# KiCad board Leopold Replacement.kicad_pcb (continued)
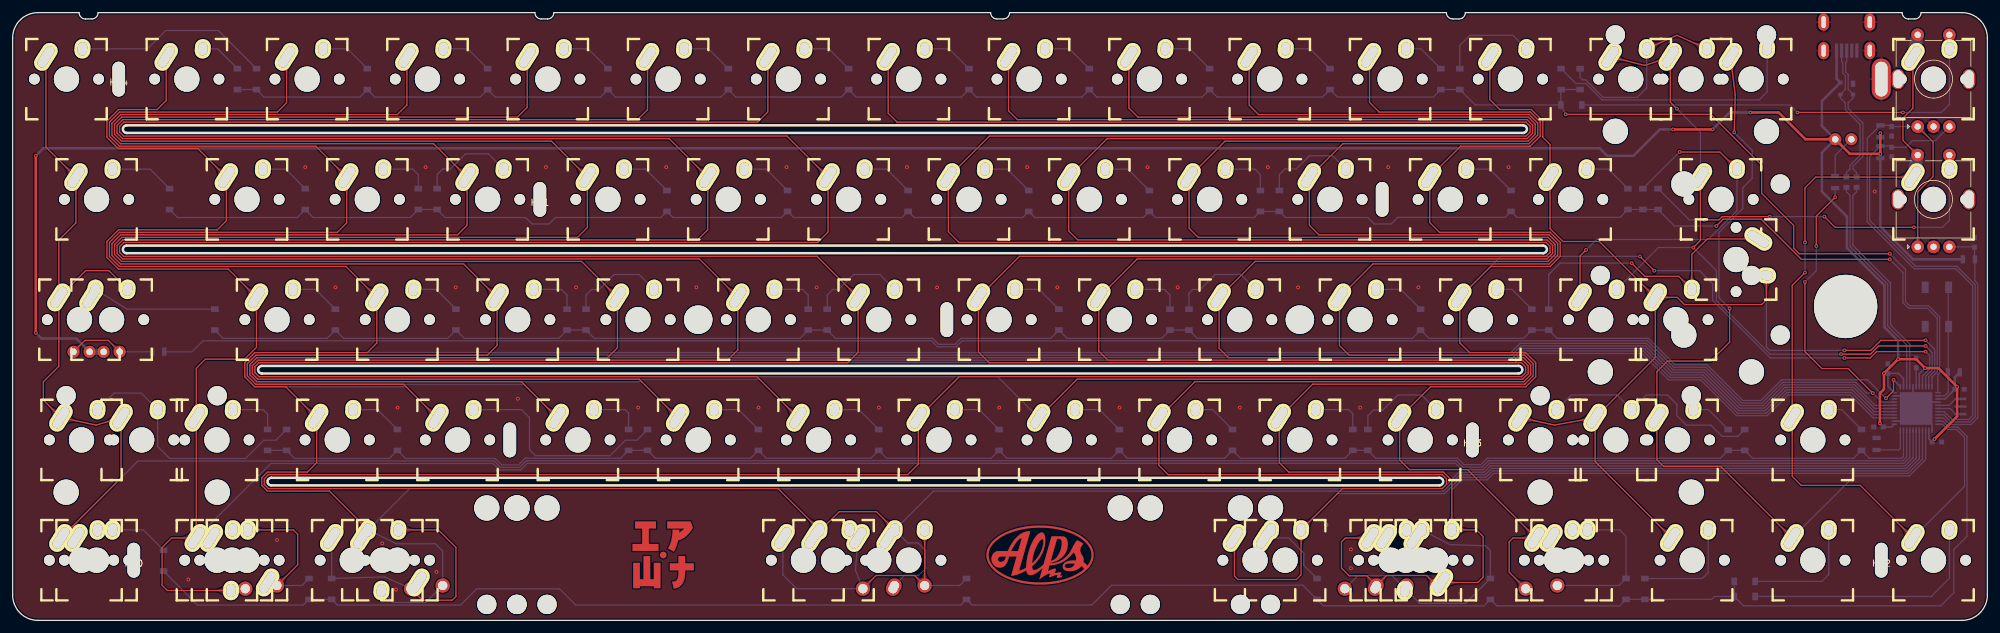
[diagram p0: board, top side]
## Routing (per net, layer and track width the routed paths; a pad name or vN(x,y) marks a point on that pad's centre or on a via; arc(x,y) is an arc through that point)
+5V: length 481.4
  Top w0.4: v1(303.62,28.65) 307.19,32.22 v1(307.19,36.91) 304.23,39.88 v1(302.12,39.88) 300.71,41.29 v1(297.87,41.29) v1(295.64,39.06) 295.64,36.54 294.99,35.89 v1(294.99,31.12) ; v1(295.06,77) v1(295.06,73.73) 290.25,73.73 D72.2 283.22,76.04 278.99,80.27 v1(274.52,80.27) ; v1(3.66,45.45) v1(3.66,73.43) ; v1(262.32,77.6) v1(268.57,77.6)
  Bottom w0.25: C5.2 296.85,30.57 U2.34 ; U2.14 305.29,34.99 C4.2 ; U2.7 301.22,38.97 v1(302.12,39.88) ; U2.24 302.72,28.71 C7.2 ; U2.2 298.72,38.22 297.9,39.04 C1.2 296.25,37.02 U2.44
  Bottom w0.4: v1(307.19,36.91) C4.2 306.81,38.39 R5.1 ; R7.1 300.23,57.06 295.06,62.23 R2.1 v1(295.06,73.73) ; C1.2 v1(295.64,39.06) ; v1(262.32,77.6) 260.24,77.6 256.07,73.43 251.9,73.43 250.71,74.62 4.85,74.62 v1(3.66,73.43) ; D71.2 10.04,44.56 4.55,44.56 v1(3.66,45.45) ; v1(268.57,77.6) 271.25,80.27 v1(274.52,80.27) ; C7.2 v1(303.62,28.65) ; J1.1 288.15,85.6 U1.4 285.84,82.09 285.84,78.14 D72.2 285.84,73.94 285.84,67.77 289.78,63.83 289.78,58.87 295.72,52.93 295.72,46.32 297.87,44.17 v1(297.87,41.29) ; R1.2 v1(295.06,77) ; C5.2 v1(294.99,31.12)
  Bottom w1: D71.2 D55.2
GND: length 20.5
  Bottom w0.25: U2.43 298.72,35.49 U2.45 ; U2.45 298.72,31.49 U2.35 ; U2.45 301.72,34.49 U2.15 ; U2.45 303.22,30.99 U2.23 ; U2.45 300.22,33.99 U2.5
  vias: v1(27.77,6.46) v1(41.76,12.71) v1(46.22,71.64) v1(50.98,52.63) v1(58.39,12.17) v1(60.55,4.86) v1(60.81,33.62) v1(65.23,71.64) v1(66.96,7.66) v1(69.99,52.63) v1(79.82,35.03) v1(84.24,71.64) v1(89,52.63) v1(98.83,33.62) v1(103.25,71.64) v1(108.01,52.63) v1(117.84,33.62) v1(122.26,71.64) v1(127.02,52.63) v1(136.85,33.62) v1(141.27,71.64) v1(146.03,52.63) v1(155.86,33.62) v1(160.28,71.64) v1(165.04,52.63) v1(174.87,33.62) v1(179.29,71.64) v1(184.05,52.63) v1(193.88,33.62) v1(198.3,71.64) v1(203.06,52.63) v1(207.55,15.09) v1(211.42,11.22) v1(211.42,8.24) v1(212.89,33.62) v1(217.31,71.64) v1(222.07,52.63) v1(228.73,4.25) v1(236.32,71.64) v1(294.17,67.77)
/R+: length 22.7
  Bottom w0.2: R3.2 291.3,70.8 290.73,71.37 290.73,71.75 292.31,73.34 292.31,78.58 289.98,80.92 289.98,81.8 290.75,82.58 U1.2 290.75,83.15 289.98,83.93 289.98,86.28 289.57,86.68 289.57,88.19 289.75,88.36 J1.3
/R-: length 22.7
  Bottom w0.2: J1.2 288.95,88.36 289.12,88.19 289.12,86.49 289.52,86.09 289.52,83.93 288.75,83.15 U1.3 288.75,82.58 289.52,81.8 289.52,80.73 291.86,78.4 291.86,73.52 290.28,71.94 290.28,71.37 289.7,70.8 R4.2
Col0: length 411.7
  Top w0.2: 5.25,89.07 5.25,74.81 MX2.1 10,62.81 7.3,60.1 MX87.1 ; MX55.1 17.13,22.53 MX4.1 13.18,30.86 MX58.1 4.85,34.82 4.85,37.71 7.3,40.16 MX87.1 ; MX87.1 11.52,55.27 15.2,55.27 MX3.2
  Bottom w0.2: MX55.1 19.79,25.19 76.06,25.19 77.08,24.18 80.09,24.18 81.14,25.23 228.1,25.23 229.11,24.21 232.12,24.21 233.14,25.23 298.63,25.23 299.22,25.81 U2.31
Col1: length 448.4
  Top w0.2: 24.26,89.07 24.26,82.16 22.84,80.74 16.73,80.74 14.89,78.9 14.89,76.35 16.7,74.54 29.28,74.54 MX6.1 33.77,63.17 32.32,61.73 16.73,61.73 14.89,59.89 14.89,57.34 16.7,55.53 34.03,55.53 MX7.1 38.52,43.15 36.65,41.28 30.44,41.28 29.01,39.85 MX8.1 MX67.1 25.11,13.03 23.6,11.52 23.6,5.56 24.45,4.72 MX91.2
  Bottom w0.2: MX67.1 40.78,24.79 75.9,24.79 76.91,23.78 80.25,23.78 81.3,24.83 227.93,24.83 228.95,23.81 232.29,23.81 233.3,24.83 298.8,24.83 299.72,25.74 U2.30
Col2: length 538.3
  Top w0.2: 43.27,89.07 43.27,81.8 41.81,80.34 16.89,80.34 15.29,78.74 15.29,76.52 16.87,74.94 47.89,74.94 MX10.1 52.77,62.81 51.29,61.33 16.89,61.33 15.29,59.73 15.29,57.51 16.87,55.93 52.64,55.93 MX11.1 57.53,43.81 56.04,42.32 38.26,42.32 36.67,40.73 36.67,38.49 38.23,36.92 43.14,36.92 MX12.1 48.02,24.91 46.55,23.43 40.24,23.43 39.35,22.55 39.35,21.32 40.24,20.43 50.04,20.43 MX68.2
  Bottom w0.2: MX93.2 60.15,2.82 65.25,2.82 MX92.1 67.93,10.93 66.76,12.11 60.61,12.1 MX68.2 62.71,20.83 225.89,20.83 228.47,23.41 232.46,23.41 233.47,24.43 298.97,24.43 300.22,25.68 U2.29
Col3: length 633.3
  Top w0.2: MX16.1 61.75,37.32 38.4,37.32 37.07,38.65 37.07,40.56 38.42,41.92 75,41.92 76.54,43.45 MX15.1 71.25,56.33 17.04,56.33 15.69,57.68 15.69,59.56 17.06,60.93 70.26,60.93 71.78,62.45 71.78,70.06 66.5,75.34 17.04,75.34 15.69,76.69 15.69,78.57 17.06,79.94 60.78,79.94 62.28,81.44 62.28,89.07
  Bottom w0.2: MX16.1 62.15,36.92 38.23,36.92 36.67,38.49 36.67,40.73 38.26,42.32 236.69,42.32 238.14,43.77 258.1,43.77 262.27,39.61 267.33,39.61 272.98,33.95 276.54,33.95 279.81,37.23 290.99,37.23 294.23,33.99 U2.40
Col4: length 762.9
  Top w0.2: MX20.1 80.36,37.72 38.57,37.72 37.47,38.82 37.47,40.4 38.59,41.52 93.97,41.52 95.55,43.09 MX19.1 89.86,56.73 17.2,56.73 16.09,57.84 16.09,59.4 17.22,60.53 89.23,60.53 90.8,62.09 MX18.1 85.11,75.74 17.2,75.74 16.09,76.85 16.09,78.41 17.22,79.54 79.75,79.54 81.29,81.08 81.29,89.07
  Bottom w0.2: U2.39 294.16,33.49 290.83,36.83 279.98,36.83 276.71,33.55 272.82,33.55 267.16,39.21 262.1,39.21 257.93,43.37 238.31,43.37 236.85,41.92 38.42,41.92 37.07,40.56 37.07,38.65 38.4,37.32 80.76,37.32 MX20.1
Col5: length 892.5
  Top w0.2: MX24.1 98.97,38.12 38.73,38.12 37.87,38.99 37.87,40.23 38.75,41.12 112.94,41.12 114.56,42.73 MX23.1 108.47,57.13 17.37,57.13 16.49,58.01 16.49,59.23 17.39,60.13 108.2,60.13 109.81,61.73 MX22.1 103.72,76.14 17.37,76.14 16.49,77.02 16.49,78.24 17.39,79.14 98.72,79.14 100.3,80.72 100.3,89.07
  Bottom w0.2: U2.38 294.09,32.99 290.66,36.43 280.15,36.43 276.87,33.15 272.65,33.15 267,38.81 261.94,38.81 257.77,42.97 238.47,42.97 237.02,41.52 38.59,41.52 37.47,40.4 37.47,38.82 38.57,37.72 99.37,37.72 MX24.1
Col6: length 1022.1
  Top w0.2: MX28.1 117.58,38.52 38.9,38.52 38.27,39.15 38.27,40.07 38.92,40.72 131.91,40.72 133.57,42.37 MX27.1 127.08,57.53 17.53,57.53 16.89,58.17 16.89,59.07 17.55,59.73 127.17,59.73 128.81,61.38 MX26.1 122.33,76.54 17.53,76.54 16.89,77.18 16.89,78.08 17.56,78.74 117.69,78.74 119.31,80.36 119.31,89.07
  Bottom w0.2: U2.37 294.03,32.49 290.5,36.03 280.31,36.03 277.04,32.75 272.49,32.75 266.83,38.41 261.77,38.41 257.6,42.57 238.64,42.57 237.19,41.12 38.75,41.12 37.87,40.23 37.87,38.99 38.73,38.12 117.98,38.12 MX28.1
Col7: length 1006.3
  Top w0.2: 138.32,89.07 138.32,80.15 139.73,78.74 239.1,78.74 239.73,78.11 239.73,77.19 239.08,76.54 154.31,76.54 147.82,70.06 147.82,61.41 149.5,59.74 242.23,59.74 242.89,59.08 242.89,58.18 242.24,57.53 159.06,57.53 MX31.1 152.58,42.41 154.27,40.72 238.37,40.72 239.02,40.07 239.02,39.15 238.39,38.52 149.56,38.52 MX32.1 143.07,24.71 141.4,23.03 40.41,23.03 39.75,22.38 39.75,21.49 40.41,20.83 120.92,20.83 MX83.2 ; MX82.1 130.58,17.17 136.47,17.17 MX86.2
  Bottom w0.2: U2.28 300.72,25.61 299.13,24.03 233.64,24.03 232.62,23.01 228.63,23.01 226.05,20.43 145.48,20.43 MX86.2 141.41,12.23 143.03,12.23 144.24,11.02 144.24,8.23 143.1,7.09 140.9,7.09 MX85.1
Col8: length 884.7
  Top w0.2: 157.33,89.07 157.33,80.55 158.74,79.14 239.27,79.14 240.13,78.27 240.13,77.03 239.25,76.14 172.92,76.14 MX34.1 166.84,61.56 168.26,60.14 242.4,60.14 243.29,59.24 243.29,58.02 242.4,57.13 177.67,57.13 MX35.1 171.59,42.56 173.02,41.12 238.53,41.12 239.42,40.23 239.42,38.99 238.56,38.12 168.17,38.12 MX36.1
  Bottom w0.2: MX36.1 155.6,38.52 38.9,38.52 38.27,39.15 38.27,40.07 38.92,40.72 237.35,40.72 238.81,42.17 257.44,42.17 261.61,38.01 266.67,38.01 272.32,32.35 277.2,32.35 280.48,35.63 290.33,35.63 293.96,31.99 U2.36
Col9: length 590
  Top w0.2: MX77.1 193.02,6.99 193.56,6.46 202.79,6.46 203.55,7.22 MX79.2 210.09,20.83 225.87,20.83 226.52,21.49 226.52,22.38 225.87,23.03 182.55,23.03 181.09,24.49 MX40.1 186.78,37.72 238.72,37.72 239.82,38.82 239.82,40.4 238.7,41.52 192.07,41.52 190.6,43 MX39.1 196.28,56.73 242.57,56.73 243.69,57.85 243.69,59.41 242.56,60.54 187.31,60.54 185.84,62 MX38.1 191.53,75.74 239.41,75.74 240.53,76.86 240.53,78.44 239.43,79.54 177.79,79.54 176.34,80.99 176.34,89.07
  Bottom w0.2: U2.27 301.22,25.55 299.3,23.63 233.8,23.63 232.79,22.61 228.8,22.61 226.22,20.03 209.29,20.03 MX79.2
Col10: length 442.2
  Top w0.2: MX69.1 223.39,7.09 217.04,7.09 MX71.1 213.92,7.05 211.12,7.05 209.93,8.24 209.93,12.41 210.55,13.03 MX72.1 ; MX96.1 231.47,5.99 232.31,6.83 232.31,13.25 231.27,14.3 MX80.2 227.36,22.1 226.03,23.43 201.6,23.43 200.1,24.93 MX44.1 205.39,37.32 238.89,37.32 240.22,38.65 240.22,40.56 238.87,41.92 211.12,41.92 209.61,43.44 MX43.1 214.89,56.33 242.73,56.33 244.09,57.69 244.09,59.57 242.73,60.94 206.36,60.94 204.85,62.44 MX42.1 210.14,75.34 239.58,75.34 240.93,76.7 240.93,78.61 239.6,79.94 196.84,79.94 195.35,81.43 195.35,89.07
  Bottom w0.2: U2.26 301.72,25.48 299.46,23.23 233.97,23.23 232.95,22.21 228.96,22.21 227.36,20.61 MX80.2
Col11: length 292
  Top w0.2: v1(259.34,55.27) v1(257.08,57.53) ; v1(302.21,42.47) 294.47,42.47 293.47,41.47 v1(289.38,41.47) ; 214.36,89.07 214.36,81.87 215.89,80.34 239.76,80.34 241.33,78.77 241.33,76.53 239.74,74.94 228.75,74.94 MX46.1 223.87,62.88 225.41,61.34 242.89,61.34 244.49,59.74 244.49,57.52 242.9,55.93 233.5,55.93 MX47.1 228.62,43.88 230.17,42.32 239.03,42.32 240.62,40.73 240.62,38.49 239.05,36.92 224,36.92 MX48.1 219.11,25.37 220.65,23.83 229.84,23.83 MX84.1 237.04,13.03 236.42,12.41 236.42,7.61 MX70.2
  Bottom w0.2: v1(259.34,55.27) 266.48,55.27 268.57,53.19 268.57,50.57 277.67,41.47 v1(289.38,41.47) ; MX47.1 235.1,57.53 v1(257.08,57.53) ; U2.8 301.72,38.62 302.85,39.75 302.85,41.83 v1(302.21,42.47)
Col12: length 182
  Top w0.2: MX52.1 250,25.11 MX74.1 ; MX52.1 259.51,41.54 MX51.1 ; MX52.1 243.57,30.86 MX89.1 ; MX64.2 277.06,50.66 276.31,49.91 264.11,49.91 262.97,51.05 MX51.1 ; 233.37,89.07 233.37,82.31 234.94,80.74 239.93,80.74 241.73,78.94 241.73,76.36 242.88,75.22 MX50.1 242.88,61.92 244.92,59.88 250.68,59.88 MX51.1 ; v1(302.21,44.26) 295.12,44.26 293.54,42.67 v1(289.38,42.67)
  Bottom w0.2: MX64.2 277.06,43.21 277.6,42.67 v1(289.38,42.67) ; v1(302.21,44.26) 303.65,42.82 303.65,39.42 302.72,38.49 U2.10
Col13: length 111.6
  Top w0.2: MX54.1 266.64,60.06 v1(265.51,58.93) ; v1(288.84,42.07) 293.5,42.07 294.79,43.36 v1(302.21,43.36) ; v1(262.92,80.87) 261.88,81.9 261.88,89.07 257.86,87.72 252.38,89.07
  Bottom w0.2: MX65.2 260.02,58.93 v1(265.51,58.93) 269.17,55.27 269.17,50.54 277.63,42.07 v1(288.84,42.07) ; v1(262.92,80.87) 266.64,77.14 MX54.1 ; v1(302.21,43.36) 302.21,43.36 303.25,42.32 303.25,39.58 302.22,38.55 U2.9
Col14: length 133.9
  Top w0.2: v1(271.25,49.31) 271.25,43.96 268.27,40.98 261.43,40.98 259.76,39.31 MX60.1 259.76,25.39 260.83,24.31 269.86,24.31 MX75.1 ; 271.39,89.07 272.14,82.95 v1(271.97,77.13)
  Bottom w0.2: v1(271.97,77.13) 274.82,74.28 274.82,69.86 273.33,68.37 273.33,65.09 269.57,61.33 269.57,51 v1(271.25,49.31) ; U2.25 302.22,25.42 299.63,22.83 290.95,22.83 MX75.1
Col15: length 135.9
  Top w0.2: MX62.1 284.84,70.06 283.16,68.37 v1(283.16,59.74) ; 300.2,89.07 300.2,80.95 298.63,79.38 298.63,75.86 SW3.S2 ; MX76.1 291.89,21.34 282.56,21.34 281.14,22.75 MX56.1 281.14,52.96 v1(283.16,54.97)
  Bottom w0.2: v1(283.16,54.97) v1(283.16,59.74) ; MX76.1 308.35,21.18 308.35,28.91 307.11,30.16 305.71,30.16 304.87,30.99 U2.22
  Bottom w2: 300.2,89.07 300.96,92.55 ; MX62.1 SW3.S2
D+: length 35.5
  Bottom w0.2: U2.4 299.72,43.67 296.68,46.72 296.68,53.32 290.73,59.26 290.73,67.15 291.3,67.72 R3.1
D-: length 35.4
  Bottom w0.2: R4.1 289.7,67.72 290.28,67.15 290.28,59.08 296.23,53.13 296.23,46.53 299.22,43.54 U2.3
EC_A: length 90.9
  Top w0.2: 300.96,78.05 303.4,75.61 303.4,70.15 300.96,67.72 SW3.A
  Bottom w0.2: U2.18 305.14,32.99 306.37,31.76 309.05,31.76 309.65,32.35 309.65,52.89 306.97,55.57 300.42,55.57 292.98,63.01 292.98,76.16 R1.1 296.91,78.25 ; 300.96,78.05 296.7,78.05
EC_B: length 73.2
  Bottom w0.2: C3.1 299.09,74.77 300.12,75.81 303.72,75.81 305.96,78.05 ; 296.91,74.97 R2.2 293.38,73.29 293.38,63.21 300.62,55.97 307.13,55.97 310.05,53.06 310.05,32.19 309.22,31.36 306.21,31.36 305.07,32.49 U2.19
EC_C: length 38.4
  Bottom w0.2: U2.20 305.01,31.99 306.04,30.96 309.38,30.96 310.45,32.02 310.45,53.22 310,53.67 R7.2 ; SW3.B 310.05,59.04 ; C8.1 309.95,57.06
Row0: length 319.2
  Top w0.2: v1(245.35,79.98) 268.27,79.98 276.31,71.94 276.31,67.48 281.37,62.41 281.37,58.84 282.26,57.95 v1(296.55,57.95)
  Bottom w0.2: D61.1 244.6,83.98 ; D61.1 v1(245.35,79.98) ; D61.1 231.05,81.47 D49.1 D45.1 224.43,82.71 209.3,82.71 D41.1 206.92,82.71 190.29,82.71 D37.1 187.91,82.71 171.28,82.71 D33.1 168.9,82.71 152.27,82.71 D29.1 149.89,82.71 133.26,82.71 D25.1 130.88,82.71 114.25,82.71 D21.1 111.87,82.71 95.24,82.71 D17.1 92.86,82.71 76.23,82.71 D13.1 73.85,82.71 57.22,82.71 D9.1 54.84,82.71 39.71,82.71 D1.1 D5.1 ; U2.12 304.16,38.8 304.45,39.09 304.45,47.94 302.67,49.72 299.69,49.72 299.03,50.38 299.03,55.46 296.55,57.95 v1(296.55,57.95) ; D57.1 D53.1
Row1: length 311.7
  Top w0.2: v1(296.55,57.06) 282.59,57.06 276.24,63.41 270.24,63.41 v1(269.15,62.33)
  Bottom w0.2: D2.1 26.06,63.66 44.95,63.66 D6.1 47.49,63.66 62.81,63.66 D10.1 D14.1 68.33,63.66 81.04,63.66 82.05,62.65 84.73,62.65 85.74,63.66 102.4,63.66 D18.1 104.35,63.66 121.45,63.66 D22.1 123.4,63.66 140.5,63.66 D26.1 142.45,63.66 159.55,63.66 D30.1 161.5,63.66 178.6,63.66 D34.1 180.55,63.66 196.15,63.66 D38.1 D42.1 201.1,63.66 214.09,63.66 215.1,62.65 217.78,62.65 218.83,63.69 235.78,63.69 D46.1 237.66,63.69 253.94,63.69 D50.1 D54.1 D62.1 262.55,62.33 v1(269.15,62.33) ; U2.11 303.22,38.42 304.05,39.25 304.05,47.78 302.5,49.32 299.53,49.32 298.63,50.21 298.63,54.97 v1(296.55,57.06)
Row2: length 285.6
  Top w0.2: v1(295.96,35.09) 297.15,36.28 v1(297.15,38.01)
  Bottom w0.2: v1(295.96,35.09) 293.02,38.03 279.48,38.03 276.22,34.76 273.31,34.76 267.66,40.41 262.6,40.41 258.43,44.57 243.98,44.57 D51.1 D47.1 238.69,44.57 223.74,44.57 D43.1 221.13,44.57 187.14,44.57 D39.1 D35.1 181.53,44.57 166.59,44.57 D31.1 163.98,44.57 149.82,44.57 148.88,43.63 146.28,43.63 145.34,44.57 129.99,44.57 D27.1 D23.1 124.38,44.57 91.89,44.57 D19.1 D15.1 86.28,44.57 71.34,44.57 D11.1 68.73,44.57 52.29,44.57 D7.1 49.68,44.57 33.24,44.57 D3.1
  Bottom w0.25: v1(297.15,38.01) 298.22,36.94 U2.1
Row3: length 275.2
  Bottom w0.2: U2.32 298.72,25.88 298.47,25.63 293.32,25.63 D56.1 290.85,25.63 274.87,25.63 D52.1 D58.1 269.78,25.63 232.97,25.63 231.96,24.61 229.28,24.61 228.27,25.63 215.34,25.63 D48.1 D44.1 210.48,25.63 193.95,25.63 D40.1 191.47,25.63 176.08,25.63 D36.1 173.6,25.63 157.07,25.63 D32.1 154.59,25.63 138.06,25.63 D28.1 135.58,25.63 119.05,25.63 D24.1 116.57,25.63 101.54,25.63 D16.1 D20.1 96.06,25.63 80.97,25.63 79.92,24.58 77.24,24.58 76.23,25.59 62.05,25.59 D12.1 59.51,25.59 44.54,25.59 D4.1 D8.1
Row4: length 327.8
  Bottom w0.2: D65.1 D66.1 ; D66.1 268.87,3.78 268.41,3.32 D64.1 D69.1 253.85,2.29 234.48,2.29 D68.1 232.42,2.29 207.09,2.29 D67.1 203.82,5.56 173.62,5.56 170.48,2.42 151.59,2.42 D70.1 149.81,2.42 88.95,2.42 86.4,4.97 73.31,4.97 70.76,2.42 51.28,2.42 D63.1 D60.1 45.92,2.42 29.2,2.42 D59.1 ; D66.1 273.47,2.29 304.59,2.29 306.67,4.37 306.67,11.22 308.75,13.3 308.75,29.08 307.28,30.56 305.88,30.56 304.94,31.49 U2.21
RST: length 18.5
  Bottom w0.2: U2.13 305.19,35.49 305.78,36.08 305.78,52.58 SW1.2
Net-(C6-Pad1): length 3
  Bottom w0.2: U2.6 C6.1
Net-(D1-Pad2): length 31.2
  Bottom w0.2: D1.2 32.48,93.24 24.2,93.24 21.29,90.34 MX1.2
Net-(D2-Pad2): length 10.3
  Bottom w0.2: MX2.2 21.7,71.33 D2.2
Net-(D3-Pad2): length 19.8
  Bottom w0.2: MX87.2 18.08,49.18 D3.2
Net-(D4-Pad2): length 40.5
  Bottom w0.2: D4.2 41.59,28.48 39.67,28.48 36.78,25.59 24.79,25.59 22.91,27.48 MX4.2 20.29,35.92 16.02,35.92 MX58.2
Net-(D5-Pad2): length 6.8
  Bottom w0.2: 30.03,90.34 32.38,90.34 D5.2
Net-(D6-Pad2): length 8
  Bottom w0.2: MX6.2 43.13,71.33 D6.2
Net-(D7-Pad2): length 8
  Bottom w0.2: D7.2 47.85,52.32 MX7.2
Net-(D8-Pad2): length 8.2
  Bottom w0.2: D8.2 40.27,32.6 39.57,33.31 MX8.2
Net-(D9-Pad2): length 8.3
  Bottom w0.2: D9.2 52.89,90.34 MX9.2
Net-(D10-Pad2): length 8.1
  Bottom w0.2: D10.2 64.08,70.45 63.21,71.33 MX10.2
Net-(D11-Pad2): length 8
  Bottom w0.2: MX11.2 66.9,52.32 D11.2
Net-(D12-Pad2): length 8.3
  Bottom w0.2: D12.2 57.64,33.31 MX12.2
Net-(D13-Pad2): length 8.3
  Bottom w0.2: 68.06,90.34 71.9,90.34 D13.2
Net-(D14-Pad2): length 15.1
  Bottom w0.2: D14.2 67.06,70.45 67.95,71.34 69.14,71.34 71.52,73.73 75.16,73.73 MX14.2
Net-(D15-Pad2): length 7.9
  Bottom w0.2: D15.2 87.58,51.41 86.68,52.32 MX15.2
Net-(D16-Pad2): length 35.2
  Bottom w0.2: D16.2 98.62,28.48 96.82,28.48 94.37,26.03 82.61,26.03 81.64,26.99 81.64,32.05 80.39,33.31 MX16.2
Net-(D17-Pad2): length 8.3
  Bottom w0.2: D17.2 90.91,90.34 MX17.2
Net-(D18-Pad2): length 8.2
  Bottom w0.2: D18.2 99.98,71.33 MX18.2
Net-(D19-Pad2): length 15.3
  Bottom w0.2: MX19.2 98.96,54.68 95.04,54.68 92.66,52.29 91.46,52.29 90.58,51.41 D19.2
Net-(D20-Pad2): length 8.3
  Bottom w0.2: D20.2 97.3,32.76 96.76,33.31 MX20.2
Net-(D21-Pad2): length 8.3
  Bottom w0.2: D21.2 109.92,90.34 MX21.2
Net-(D22-Pad2): length 8.2
  Bottom w0.2: D22.2 119.03,71.33 MX22.2
Net-(D23-Pad2): length 8
  Bottom w0.2: MX23.2 124.78,52.32 125.68,51.41 D23.2
Net-(D24-Pad2): length 8.3
  Bottom w0.2: D24.2 114.67,33.31 MX24.2
Net-(D25-Pad2): length 8.3
  Bottom w0.2: MX25.2 128.93,90.34 D25.2
Net-(D26-Pad2): length 8.3
  Bottom w0.2: MX26.2 138.08,71.33 D26.2
Net-(D27-Pad2): length 15.2
  Bottom w0.2: MX27.2 136.98,54.68 132.84,54.68 130.46,52.29 129.56,52.29 128.68,51.41 D27.2
Net-(D28-Pad2): length 8.3
  Bottom w0.2: D28.2 133.68,33.31 MX28.2
Net-(D29-Pad2): length 8.3
  Bottom w0.2: MX29.2 147.94,90.34 D29.2
Net-(D30-Pad2): length 8.3
  Bottom w0.2: D30.2 157.13,71.33 MX30.2
Net-(D31-Pad2): length 8.2
  Bottom w0.2: MX31.2 162.15,52.32 D31.2
Net-(D32-Pad2): length 8.3
  Bottom w0.2: D32.2 152.69,33.31 MX32.2
Net-(D33-Pad2): length 8.3
  Bottom w0.2: D33.2 166.95,90.34 163.1,90.34
Net-(D34-Pad2): length 8.4
  Bottom w0.2: MX34.2 176.18,71.33 D34.2
Net-(D35-Pad2): length 8.1
  Bottom w0.2: MX35.2 181.93,52.32 182.83,51.41 D35.2
Net-(D36-Pad2): length 8.3
  Bottom w0.2: MX36.2 171.7,33.31 D36.2
Net-(D37-Pad2): length 8.3
  Bottom w0.2: D37.2 185.96,90.34 MX37.2
Net-(D38-Pad2): length 8.4
  Bottom w0.2: D38.2 197.12,70.46 196.26,71.33 MX38.2
Net-(D39-Pad2): length 15.3
  Bottom w0.2: D39.2 185.83,51.71 186.42,52.29 187.61,52.29 189.99,54.68 194.01,54.68 MX39.2
Net-(D40-Pad2): length 7.1
  Bottom w0.2: MX40.2 189.57,33.31 D40.2
Net-(D41-Pad2): length 8.3
  Bottom w0.2: D41.2 204.97,90.34 MX41.2
Net-(D42-Pad2): length 15.1
  Bottom w0.2: MX42.2 208.53,73.43 204.87,73.43 202.79,71.34 201,71.34 200.12,70.46 D42.2
Net-(D43-Pad2): length 8.3
  Bottom w0.2: MX43.2 219.3,52.32 D43.2
Net-(D44-Pad2): length 8.6
  Bottom w0.2: MX44.2 211.06,33.31 211.72,32.65 D44.2
Net-(D45-Pad2): length 6.8
  Bottom w0.2: D45.2 222.48,90.34 MX45.2
Net-(D46-Pad2): length 8.5
  Bottom w0.2: MX46.2 233.33,71.33 D46.2
Net-(D47-Pad2): length 6.9
  Bottom w0.2: MX47.2 236.86,52.32 D47.2
Net-(D48-Pad2): length 15.3
  Bottom w0.2: D48.2 214.1,32.35 214.99,33.24 216.48,33.24 218.86,35.63 222.57,35.63 MX48.2
Net-(D49-Pad2): length 15.7
  Bottom w0.2: MX49.2 237.01,92.47 230.23,92.47 228.62,90.86 D49.2
Net-(D50-Pad2): length 7.8
  Bottom w0.2: D50.2 252.08,71.33 MX50.2
Net-(D51-Pad2): length 47.6
  Top w0.2: MX64.1 267.72,60.29 265.28,57.85 MX51.2 263.22,54.38 257.86,54.38 v1(255.77,56.46)
  Bottom w0.2: v1(255.77,56.46) 244.46,56.46 242.67,54.68 D51.2
Net-(D52-Pad2): length 36.8
  Bottom w0.2: D52.2 272.54,29.08 270.06,29.08 268.27,30.86 264.4,30.86 262.92,32.35 262.92,34.14 261.43,35.63 258.1,35.63 MX52.2 253.46,35.63 246.22,35.63 MX89.2
Net-(D53-Pad2): length 30.4
  Top w0.2: MX63.2 262.92,92.48 MX53.2
  Bottom w0.2: MX53.2 258.15,84.15 256.66,82.66 251.28,82.66 248.5,85.44 248.03,85.44 247.63,85.84 D53.2
Net-(D54-Pad2): length 59.3
  Top w0.2: MX54.2 269.71,74.02 v1(263.35,74.02) ; v1(248.57,58.55) 247.63,57.61 MX65.1
  Bottom w0.2: MX54.2 272.41,64.74 267.88,60.21 250.23,60.21 v1(248.57,58.55) ; D54.2 v1(263.35,74.02)
Net-(D55-Pad1): length 14
  Top w0.2: D55.1 15.09,44.26 11.42,44.26 D71.1
  Bottom w0.2: D55.1 22.14,42.45
Net-(D56-Pad2): length 6.5
  Bottom w0.2: MX56.2 288.94,33.31 D56.2
Net-(D57-Pad2): length 41.9
  Bottom w0.2: MX57.2 277.17,83.51 275.91,82.26 251.11,82.26 248.53,84.84 246.98,84.84 D57.2
Net-(D58-Pad2): length 6.8
  Bottom w0.2: MX60.2 267.88,33.31 D58.2
Net-(D59-Pad2): length 9.4
  Bottom w0.2: D59.2 20.63,14.3 MX88.2
Net-(D60-Pad2): length 23.1
  Top w0.2: MX90.1 45.03,8.79 45.03,13.6 44.33,14.3 MX59.2
  Bottom w0.2: D60.2 45.7,5.51 MX90.1
Net-(D61-Pad2): length 67.9
  Top w0.2: v1(298.63,80.27) v1(281.97,80.27)
  Bottom w0.2: D61.2 280.78,81.47 v1(281.97,80.27) ; v1(298.63,80.27) 304.69,80.27 305.98,81.56 MX61.2
Net-(D62-Pad2): length 57.6
  Top w0.2: v1(300.36,62.12) 287.92,62.12 v1(286.22,63.81) ; v1(277.59,63.81) 270.07,63.81 269.57,63.31 v1(267.24,63.31)
  Bottom w0.2: D62.2 264.86,63.31 v1(267.24,63.31) ; MX62.2 305.98,63.21 304.89,62.12 v1(300.36,62.12) ; v1(277.59,63.81) v1(286.22,63.81)
Net-(D63-Pad2): length 45.3
  Top w0.2: MX66.2 67.25,14.3 70.03,11.52 70.03,3.78 69.44,3.18 64.76,3.18 MX92.2
  Bottom w0.2: D63.2 58.77,6.86 MX92.2 ; MX68.1 50.4,6.74
Net-(D64-Pad2): length 17.1
  Bottom w0.2: MX74.2 267.86,7.53 266.95,6.62 D64.2
Net-(D65-Pad2): length 19.1
  Bottom w0.2: MX75.2 286.92,7.24 285.84,6.16 D65.2
Net-(D66-Pad2): length 39.5
  Bottom w0.2: MX76.2 305.98,6.66 303.1,3.78 D66.2
Net-(D67-Pad2): length 12.1
  Bottom w0.2: D67.2 203.98,8.7 203.98,10.62 201.58,13.03 MX79.1
Net-(D68-Pad2): length 43.4
  Bottom w0.2: MX71.2 212.51,7.05 217.92,7.05 MX69.2 222.28,2.69 229.52,2.69 D68.2 233.45,11.03 232.7,11.79 227.04,11.98 MX78.2
Net-(D69-Pad2): length 24.5
  Bottom w0.2: MX70.1 253.77,5.51 D69.2 254.88,13.3 253.88,14.3 MX81.2
Net-(D70-Pad2): length 54.8
  Top w0.2: MX94.2 MX73.1 142.49,7.09 136.4,7.09 MX85.2
  Bottom w0.2: MX73.1 149.59,5.51 D70.2 ; MX86.1 133.14,7.94 MX85.2 123.87,5.01 121.69,7.19 MX83.1
Net-(D72-Pad1): length 7.9
  Bottom w0.2: R9.1 287.92,73.49 D72.1 ; 290.75,76.6 290.75,75.63
Net-(R6-Pad2): length 6.7
  Bottom w0.2: R6.2 297.98,26.94 298.22,27.17 U2.33
Net-(R8-Pad2): length 322.9
  Top w0.2: v1(293.87,35.92) 290,39.79 285.84,39.79 283.16,42.47 v1(283.16,53.49) ; v1(287.92,66.88) 284.94,63.9 v1(284.94,59.14)
  Bottom w0.2: U2.41 295.3,34.49 v1(293.87,35.92) 292.86,35.92 291.16,37.63 279.65,37.63 276.37,34.35 273.15,34.35 267.49,40.01 262.43,40.01 258.27,44.17 149.99,44.17 149.04,43.23 146.12,43.23 145.17,44.17 30.06,44.17 28.33,42.45 23.87,42.45 ; R9.2 v1(287.92,66.88) ; v1(284.94,59.14) 284.94,55.27 v1(283.16,53.49)
Net-(U2-Pad16): length 3.2
  Bottom w0.2: U2.16 305.93,33.99 306.93,34.99
Net-(U2-Pad17): length 3.2
  Bottom w0.2: U2.17 306.08,33.49 306.98,32.59

## Copper pours and planes (outline as drawn; the poured copper is in the pictures)
+5V on Top: 286.12,75.84 287.25,75.37 288.41,76.04 287.25,76.71 286.12,76.24
+5V on Top: 289.36,74.9 288.88,76.03 287.6,76.38 287.94,75.09 289.08,74.61
+5V on Bottom: 286.51,77.18 286.98,76.05 288.27,75.7 287.92,76.99 286.79,77.47
+5V on Bottom: 10.73,43.59 11.2,42.45 12.49,42.11 12.14,43.4 11.01,43.87
+5V on Bottom: 286.79,74.61 287.92,75.09 288.27,76.38 286.98,76.03 286.51,74.9
+5V on Bottom: 13.03,41.95 13.68,41.78 14.84,42.45 13.68,43.11 13.03,42.95
+5V on Bottom: 13.48,42.95 12.83,43.11 11.67,42.45 12.83,41.78 13.48,41.95
GND on Top: 325.86,-11.29 -7.49,-11.29 -7.49,100.11 325.86,100.11
GND on Bottom: 325.86,-11.29 -7.49,-11.29 -7.49,100.11 325.86,100.11
Col0 on Top: 17.23,29.26 17.23,29.33 17.23,29.41 17.24,29.48 17.25,29.55 17.25,29.62 17.26,29.69 17.27,29.76 17.29,29.83 17.3,29.9 17.32,29.97 17.34,30.03 17.36,30.1 17.38,30.16 17.4,30.23 17.43,30.29 17.45,30.35 17.48,30.42 17.51,30.48 17.54,30.54 17.58,30.6 17.61,30.65 17.65,30.71 17.69,30.77 17.73,30.82 17.77,30.88 17.81,30.93 17.86,30.99 17.91,31.04 17.96,31.09 18.01,31.14 17.13,32.66 16.26,31.14 16.31,31.09 16.36,31.04 16.4,30.99 16.45,30.93 16.49,30.88 16.54,30.82 16.58,30.77 16.61,30.71 16.65,30.65 16.69,30.6 16.72,30.54 16.75,30.48 16.78,30.42 16.81,30.35 16.84,30.29 16.86,30.23 16.89,30.16 16.91,30.1 16.93,30.03 16.95,29.97 16.96,29.9 16.98,29.83 16.99,29.76 17,29.69 17.01,29.62 17.02,29.55 17.02,29.48 17.03,29.41 17.03,29.33 17.03,29.26
Col0 on Top: 9.52,15.06 9.47,15.01 9.41,14.96 9.36,14.91 9.3,14.86 9.25,14.82 9.19,14.77 9.13,14.73 9.07,14.69 9.02,14.65 8.96,14.62 8.9,14.58 8.84,14.55 8.78,14.52 8.71,14.49 8.65,14.47 8.59,14.44 8.52,14.42 8.46,14.4 8.4,14.38 8.33,14.36 8.26,14.34 8.2,14.33 8.13,14.31 8.06,14.3 7.99,14.29 7.92,14.29 7.85,14.28 7.78,14.28 7.71,14.28 7.64,14.28 7.18,12.58 8.88,13.04 8.88,13.11 8.88,13.18 8.88,13.25 8.89,13.32 8.89,13.39 8.9,13.46 8.91,13.53 8.93,13.6 8.94,13.66 8.96,13.73 8.98,13.79 9,13.86 9.02,13.92 9.04,13.99 9.07,14.05 9.09,14.11 9.12,14.17 9.15,14.24 9.19,14.3 9.22,14.36 9.26,14.41 9.29,14.47 9.33,14.53 9.37,14.59 9.42,14.64 9.46,14.7 9.51,14.76 9.56,14.81 9.61,14.86 9.66,14.92
Col0 on Top: 10.36,31.56 10.29,31.58 10.22,31.59 10.15,31.61 10.08,31.63 10.01,31.66 9.94,31.68 9.88,31.71 9.81,31.73 9.75,31.76 9.69,31.79 9.63,31.82 9.57,31.85 9.51,31.89 9.45,31.93 9.39,31.96 9.34,32 9.28,32.04 9.23,32.08 9.18,32.13 9.13,32.17 9.08,32.22 9.03,32.27 8.98,32.32 8.93,32.37 8.89,32.42 8.85,32.48 8.8,32.53 8.76,32.59 8.72,32.65 8.68,32.71 7.01,32.16 8.32,30.99 8.38,31.03 8.44,31.07 8.5,31.11 8.56,31.14 8.63,31.17 8.69,31.2 8.75,31.23 8.81,31.26 8.88,31.28 8.94,31.3 9.01,31.32 9.07,31.34 9.14,31.36 9.2,31.37 9.27,31.39 9.34,31.4 9.41,31.41 9.47,31.42 9.54,31.42 9.61,31.43 9.68,31.43 9.75,31.43 9.82,31.43 9.89,31.42 9.96,31.42 10.03,31.41 10.1,31.4 10.18,31.39 10.25,31.38 10.32,31.36
Col0 on Top: 14.5,31.15 14.57,31.17 14.64,31.19 14.71,31.21 14.78,31.22 14.85,31.23 14.92,31.24 14.99,31.25 15.06,31.26 15.13,31.27 15.2,31.27 15.27,31.27 15.34,31.27 15.41,31.27 15.48,31.26 15.54,31.26 15.61,31.25 15.68,31.24 15.74,31.23 15.81,31.22 15.88,31.2 15.94,31.18 16.01,31.16 16.07,31.14 16.14,31.12 16.2,31.09 16.27,31.07 16.33,31.04 16.4,31.01 16.46,30.98 16.52,30.94 17.73,32.21 16.03,32.62 15.99,32.56 15.96,32.5 15.92,32.43 15.88,32.38 15.84,32.32 15.8,32.26 15.76,32.21 15.72,32.15 15.67,32.1 15.62,32.05 15.58,32 15.53,31.96 15.48,31.91 15.43,31.86 15.38,31.82 15.32,31.78 15.27,31.74 15.21,31.7 15.15,31.66 15.1,31.63 15.04,31.59 14.98,31.56 14.91,31.53 14.85,31.49 14.78,31.47 14.72,31.44 14.65,31.41 14.58,31.39 14.51,31.36 14.44,31.34
Col0 on Top: 5.59,33.93 5.64,33.87 5.69,33.82 5.74,33.77 5.79,33.71 5.83,33.65 5.88,33.6 5.92,33.54 5.96,33.48 6,33.42 6.03,33.37 6.07,33.31 6.1,33.25 6.13,33.18 6.16,33.12 6.19,33.06 6.21,33 6.23,32.93 6.26,32.87 6.28,32.8 6.29,32.74 6.31,32.67 6.32,32.61 6.34,32.54 6.35,32.47 6.36,32.4 6.36,32.33 6.37,32.26 6.37,32.19 6.38,32.12 6.38,32.05 8.07,31.59 7.61,33.29 7.54,33.29 7.47,33.29 7.4,33.29 7.33,33.3 7.26,33.3 7.19,33.31 7.12,33.32 7.06,33.34 6.99,33.35 6.92,33.37 6.86,33.39 6.79,33.41 6.73,33.43 6.66,33.45 6.6,33.48 6.54,33.5 6.48,33.53 6.42,33.56 6.36,33.59 6.3,33.63 6.24,33.66 6.18,33.7 6.12,33.74 6.06,33.78 6.01,33.83 5.95,33.87 5.9,33.92 5.84,33.97 5.79,34.02 5.73,34.07
Col0 on Top: 7.4,48.27 7.4,48.34 7.4,48.42 7.41,48.49 7.41,48.56 7.42,48.63 7.43,48.7 7.44,48.77 7.45,48.84 7.47,48.91 7.48,48.98 7.5,49.04 7.52,49.11 7.54,49.17 7.57,49.24 7.59,49.3 7.62,49.36 7.65,49.43 7.68,49.49 7.71,49.55 7.74,49.61 7.78,49.66 7.82,49.72 7.85,49.78 7.89,49.83 7.94,49.89 7.98,49.94 8.03,50 8.07,50.05 8.12,50.1 8.17,50.15 7.3,51.67 6.42,50.15 6.47,50.1 6.52,50.05 6.57,50 6.62,49.94 6.66,49.89 6.7,49.83 6.74,49.78 6.78,49.72 6.82,49.66 6.85,49.61 6.89,49.55 6.92,49.49 6.95,49.43 6.98,49.36 7,49.3 7.03,49.24 7.05,49.17 7.07,49.11 7.09,49.04 7.11,48.98 7.13,48.91 7.14,48.84 7.16,48.77 7.17,48.7 7.18,48.63 7.18,48.56 7.19,48.49 7.2,48.42 7.2,48.34 7.2,48.27
Col0 on Top: 16.12,54.21 16.17,54.15 16.22,54.1 16.27,54.05 16.32,53.99 16.36,53.93 16.41,53.88 16.45,53.82 16.49,53.76 16.52,53.7 16.56,53.65 16.59,53.59 16.63,53.53 16.66,53.46 16.69,53.4 16.71,53.34 16.74,53.28 16.76,53.21 16.78,53.15 16.8,53.08 16.82,53.02 16.84,52.95 16.85,52.89 16.86,52.82 16.88,52.75 16.89,52.68 16.89,52.61 16.9,52.54 16.9,52.47 16.9,52.4 16.9,52.33 18.6,51.87 18.14,53.57 18.07,53.57 18,53.57 17.93,53.57 17.86,53.58 17.79,53.58 17.72,53.59 17.65,53.6 17.58,53.62 17.52,53.63 17.45,53.65 17.38,53.67 17.32,53.69 17.26,53.71 17.19,53.73 17.13,53.76 17.07,53.78 17,53.81 16.94,53.84 16.88,53.87 16.82,53.91 16.76,53.94 16.71,53.98 16.65,54.02 16.59,54.06 16.53,54.11 16.48,54.15 16.42,54.2 16.37,54.25 16.31,54.3 16.26,54.35
